# Altium PCB Main_PCB.PcbDoc (part 1 of 13)
Units mil, origin at the board's own origin, x right, y up, seen from the top; angles counter-clockwise.
Board outline 5200 x 6000 mil, 12 copper layers (Top (L1), Int1 (l2), Int2 (L3), Int3 (L4), Int4 (L5), Int5 (L6), Int6 (L7), Int7 (L8), Int8 (L9), Int9 (L10), Int10 (L11), Bot (L12)), stack 94.81 mil thick; 88 components, 424 nets, 1789 pads, 1684 vias.
Unrouted connection lines stored in the file: 914.
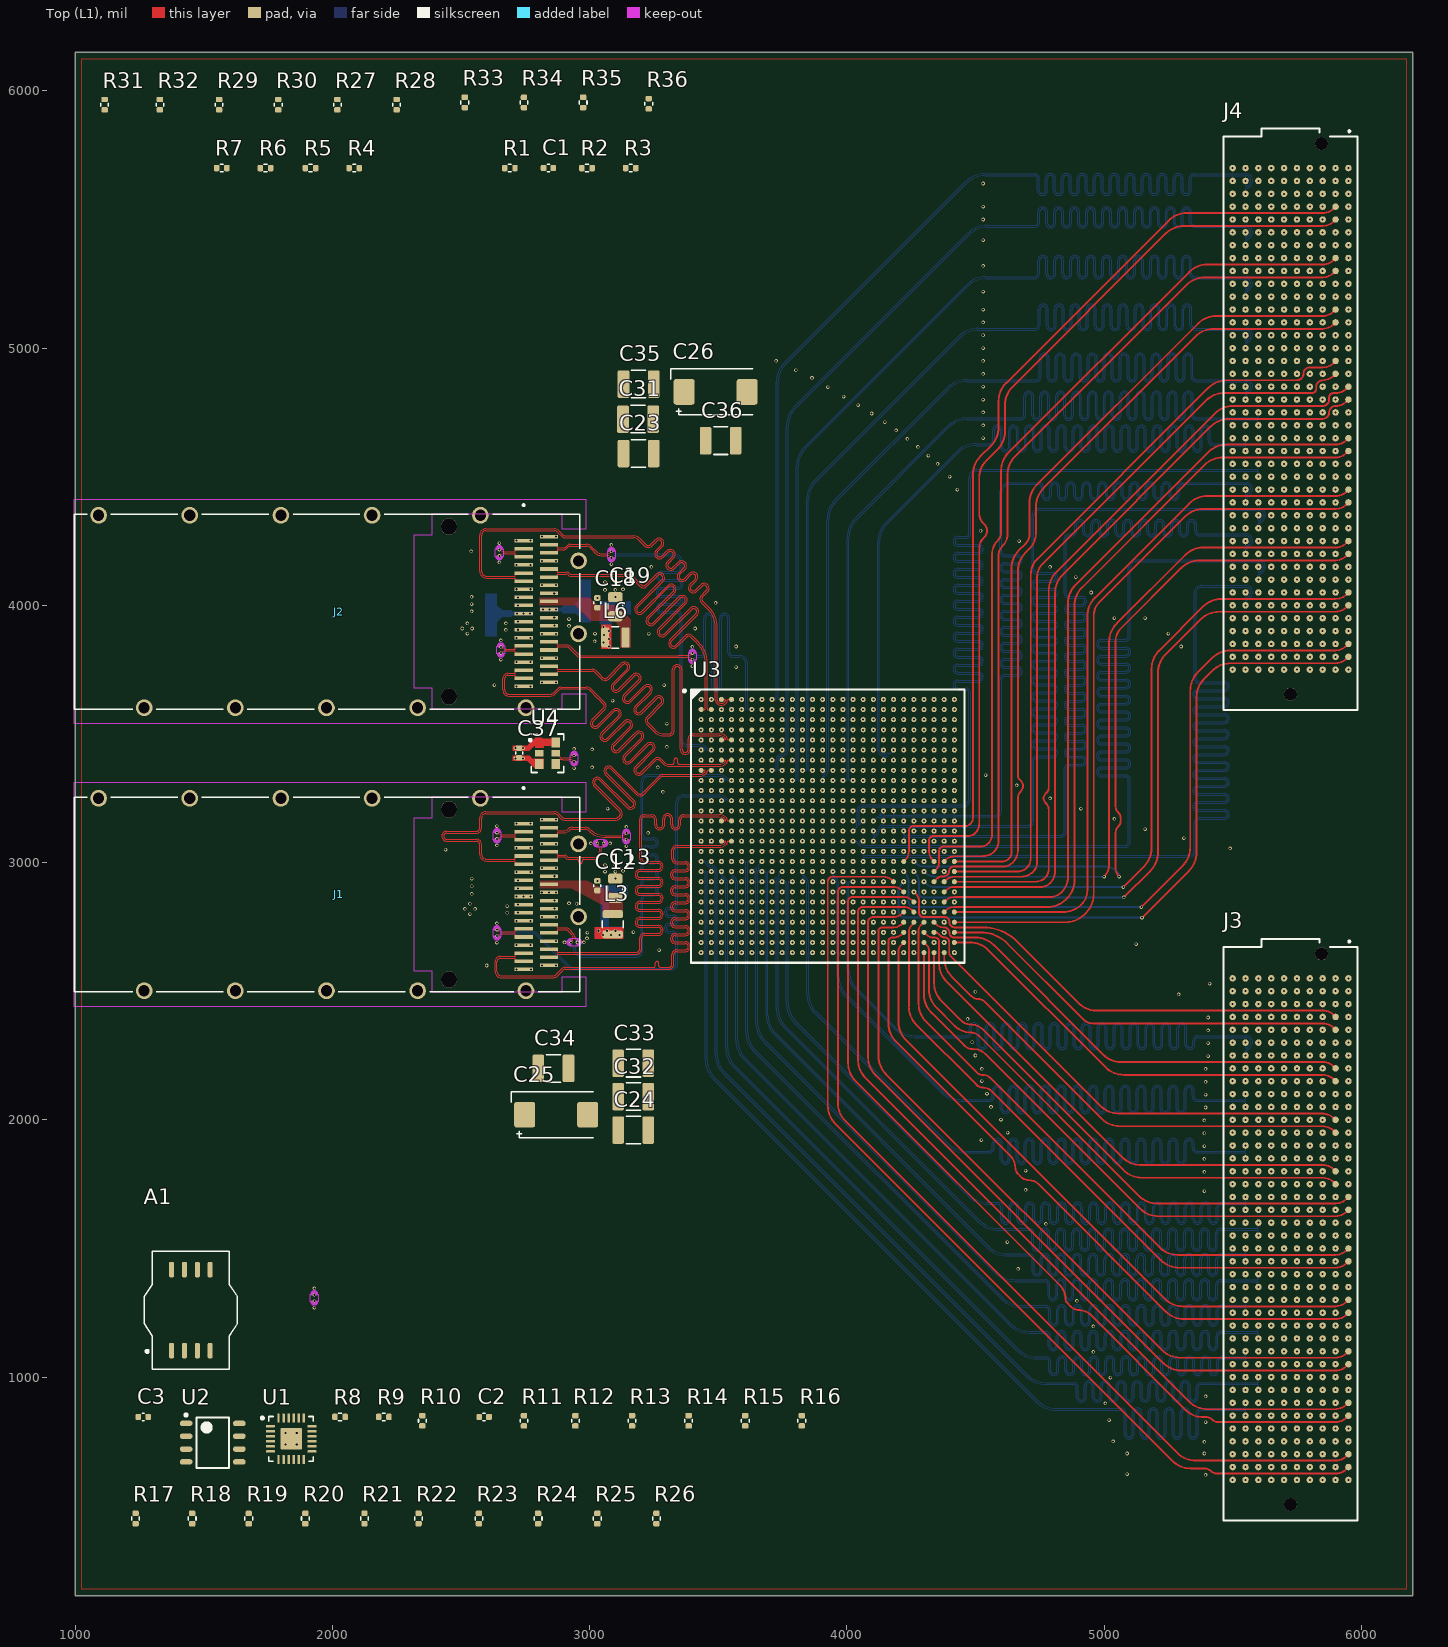
[diagram p0: Top (L1) view]
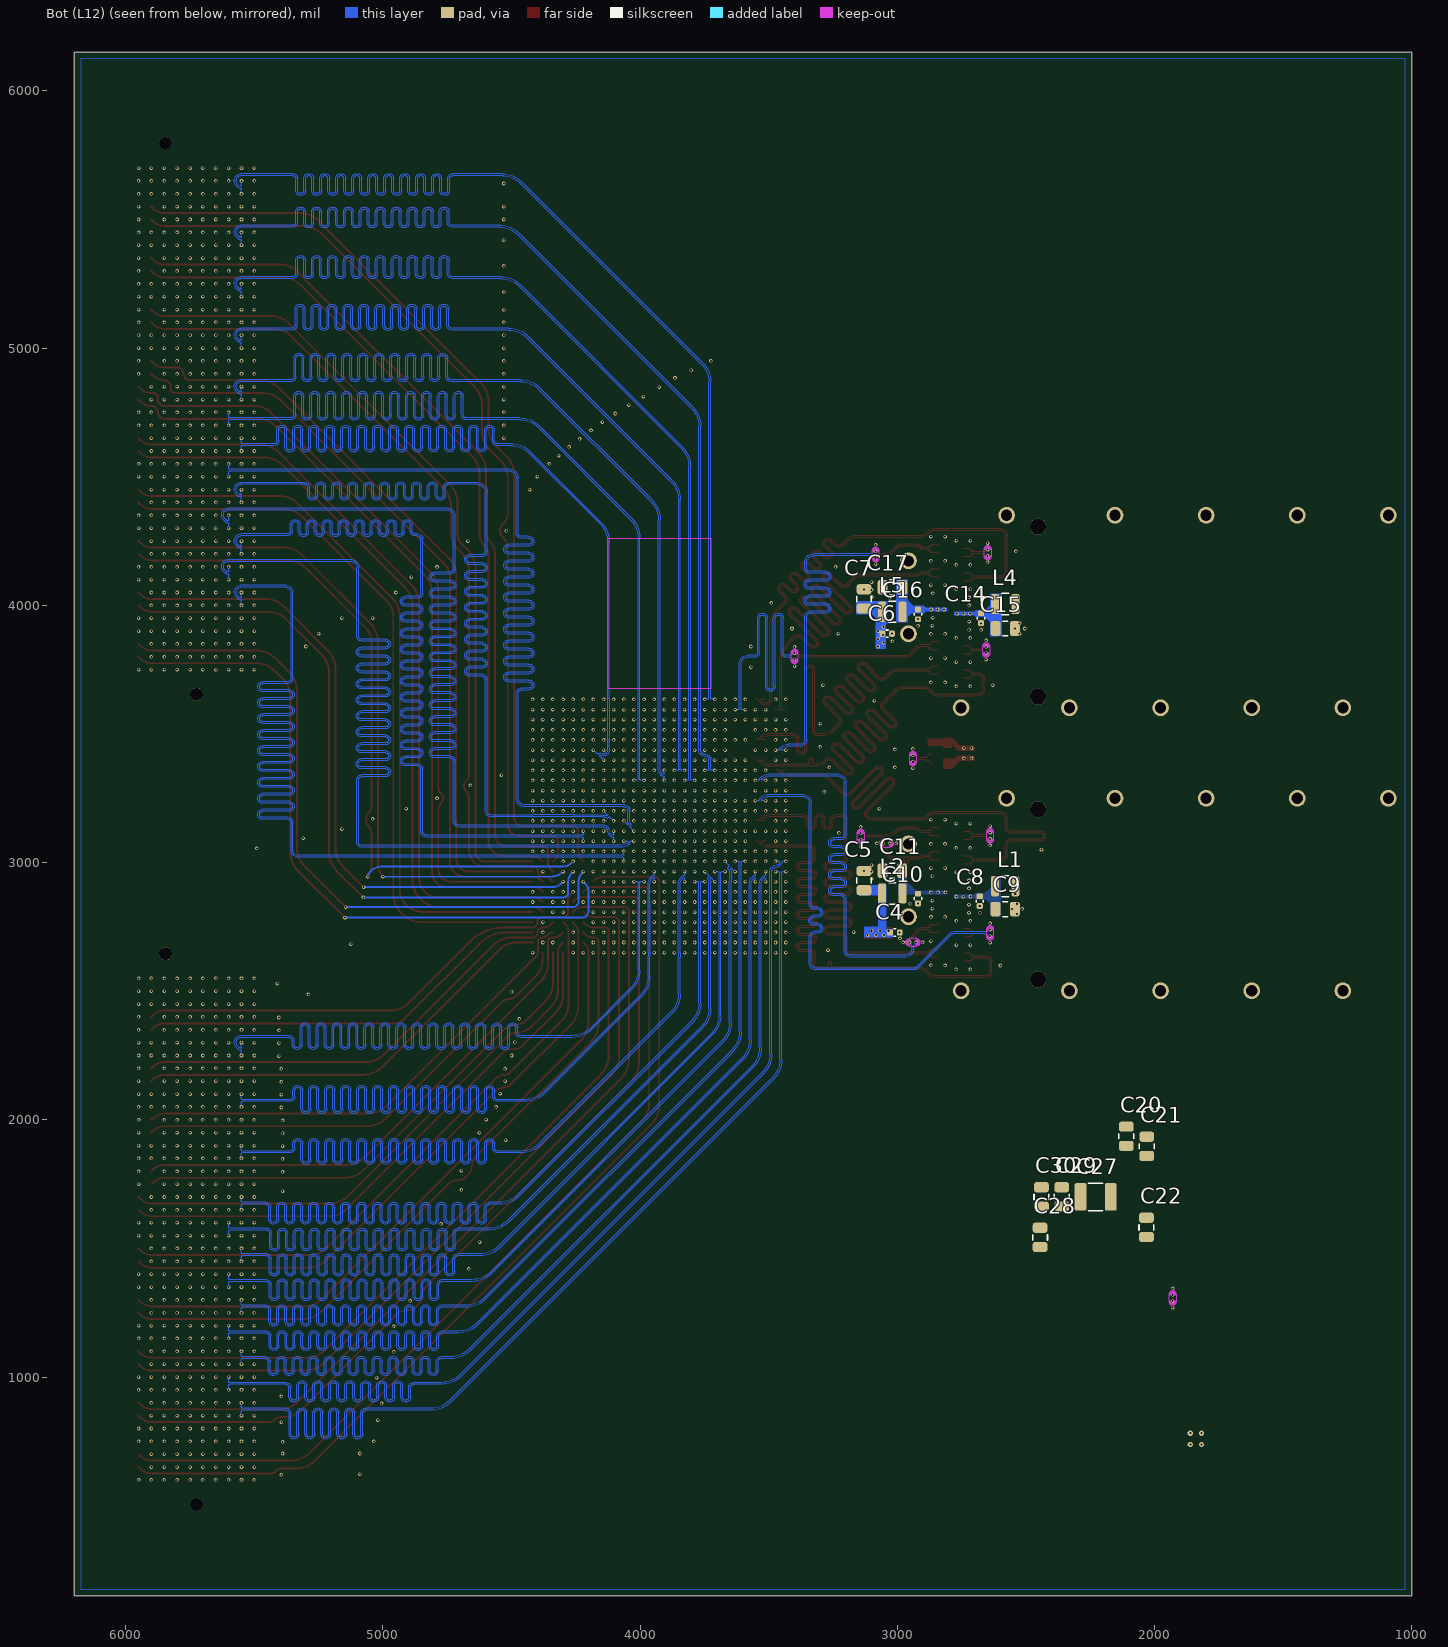
[diagram p1: Bot (L12) view, seen from below]
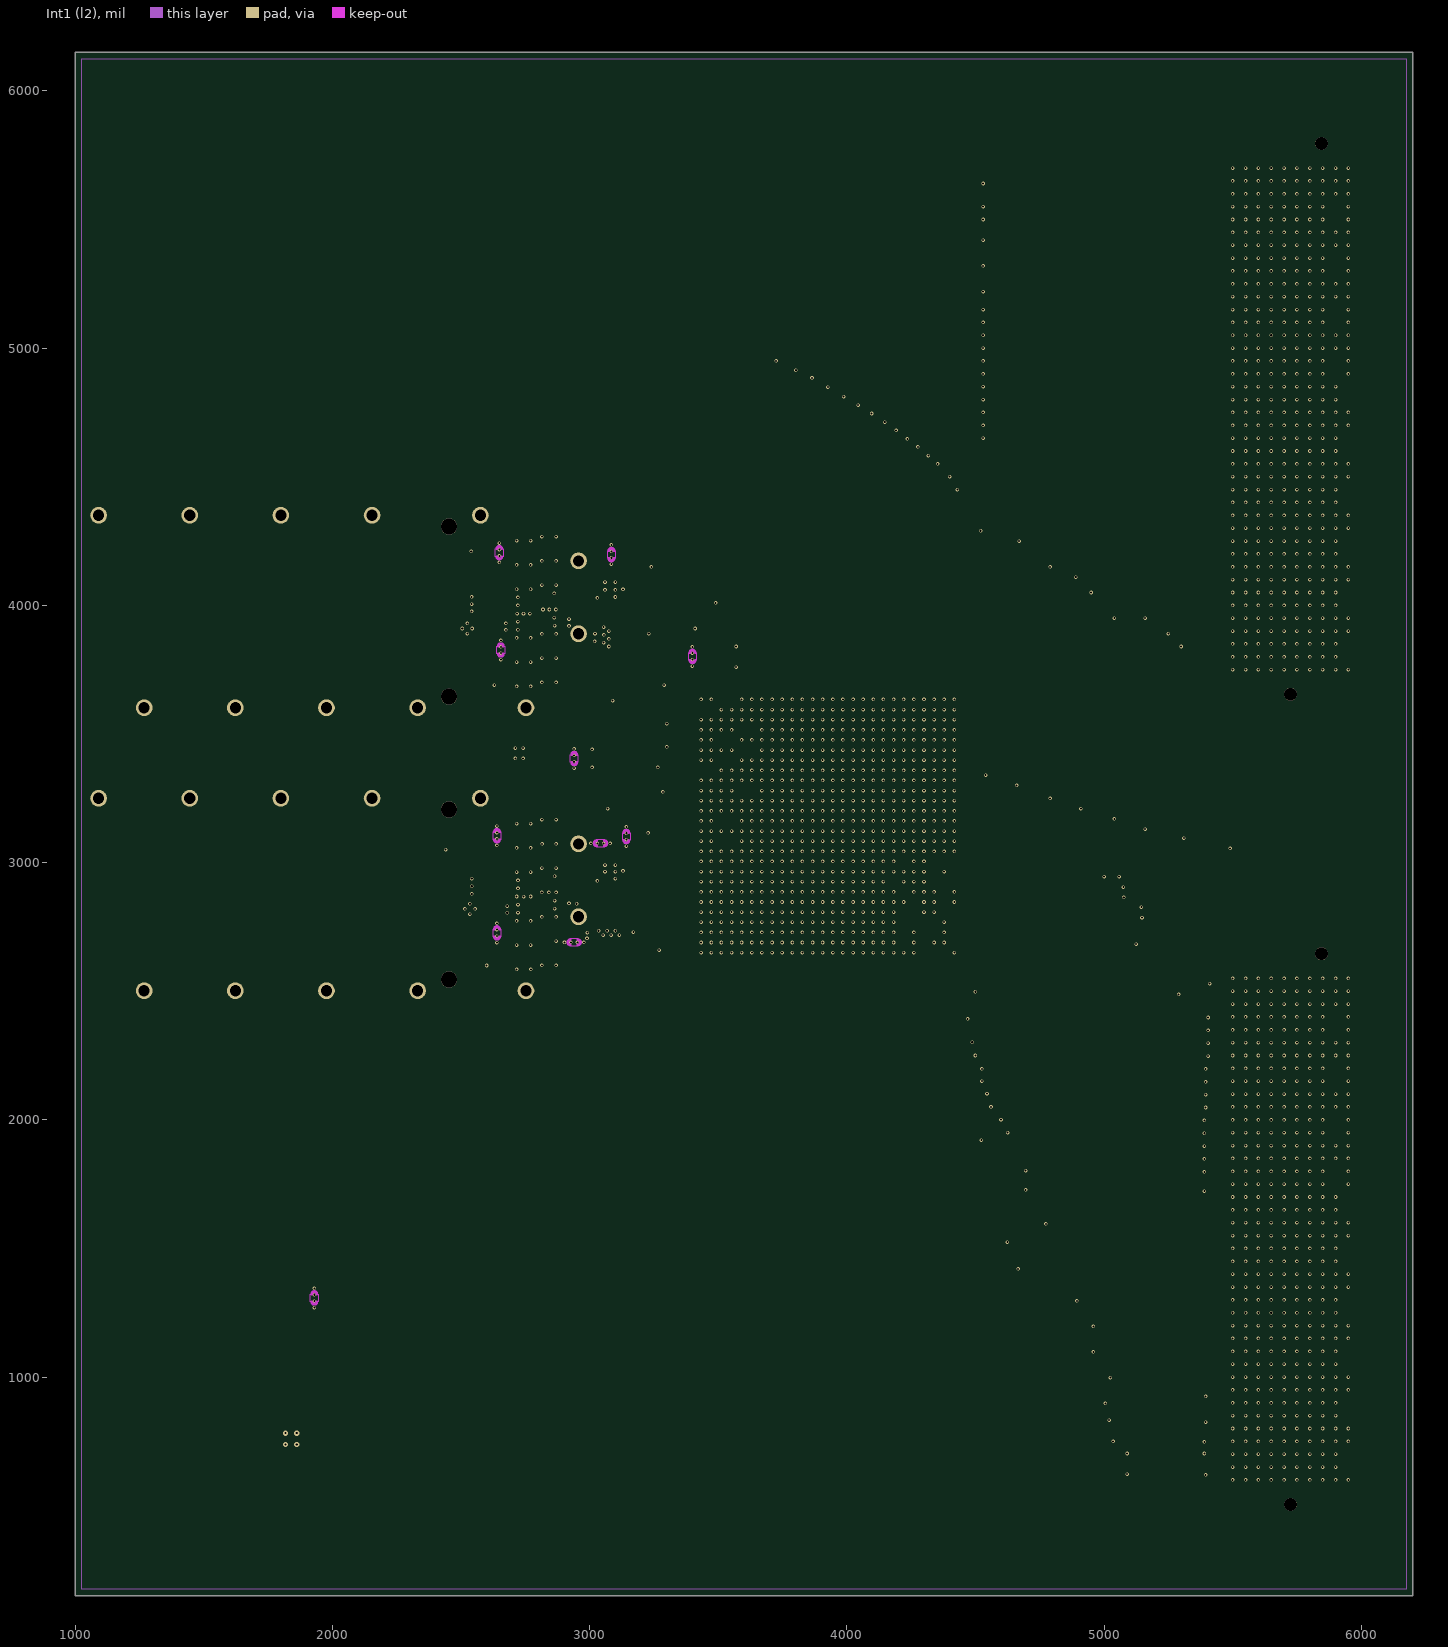
[diagram p2: Int1 (l2)]
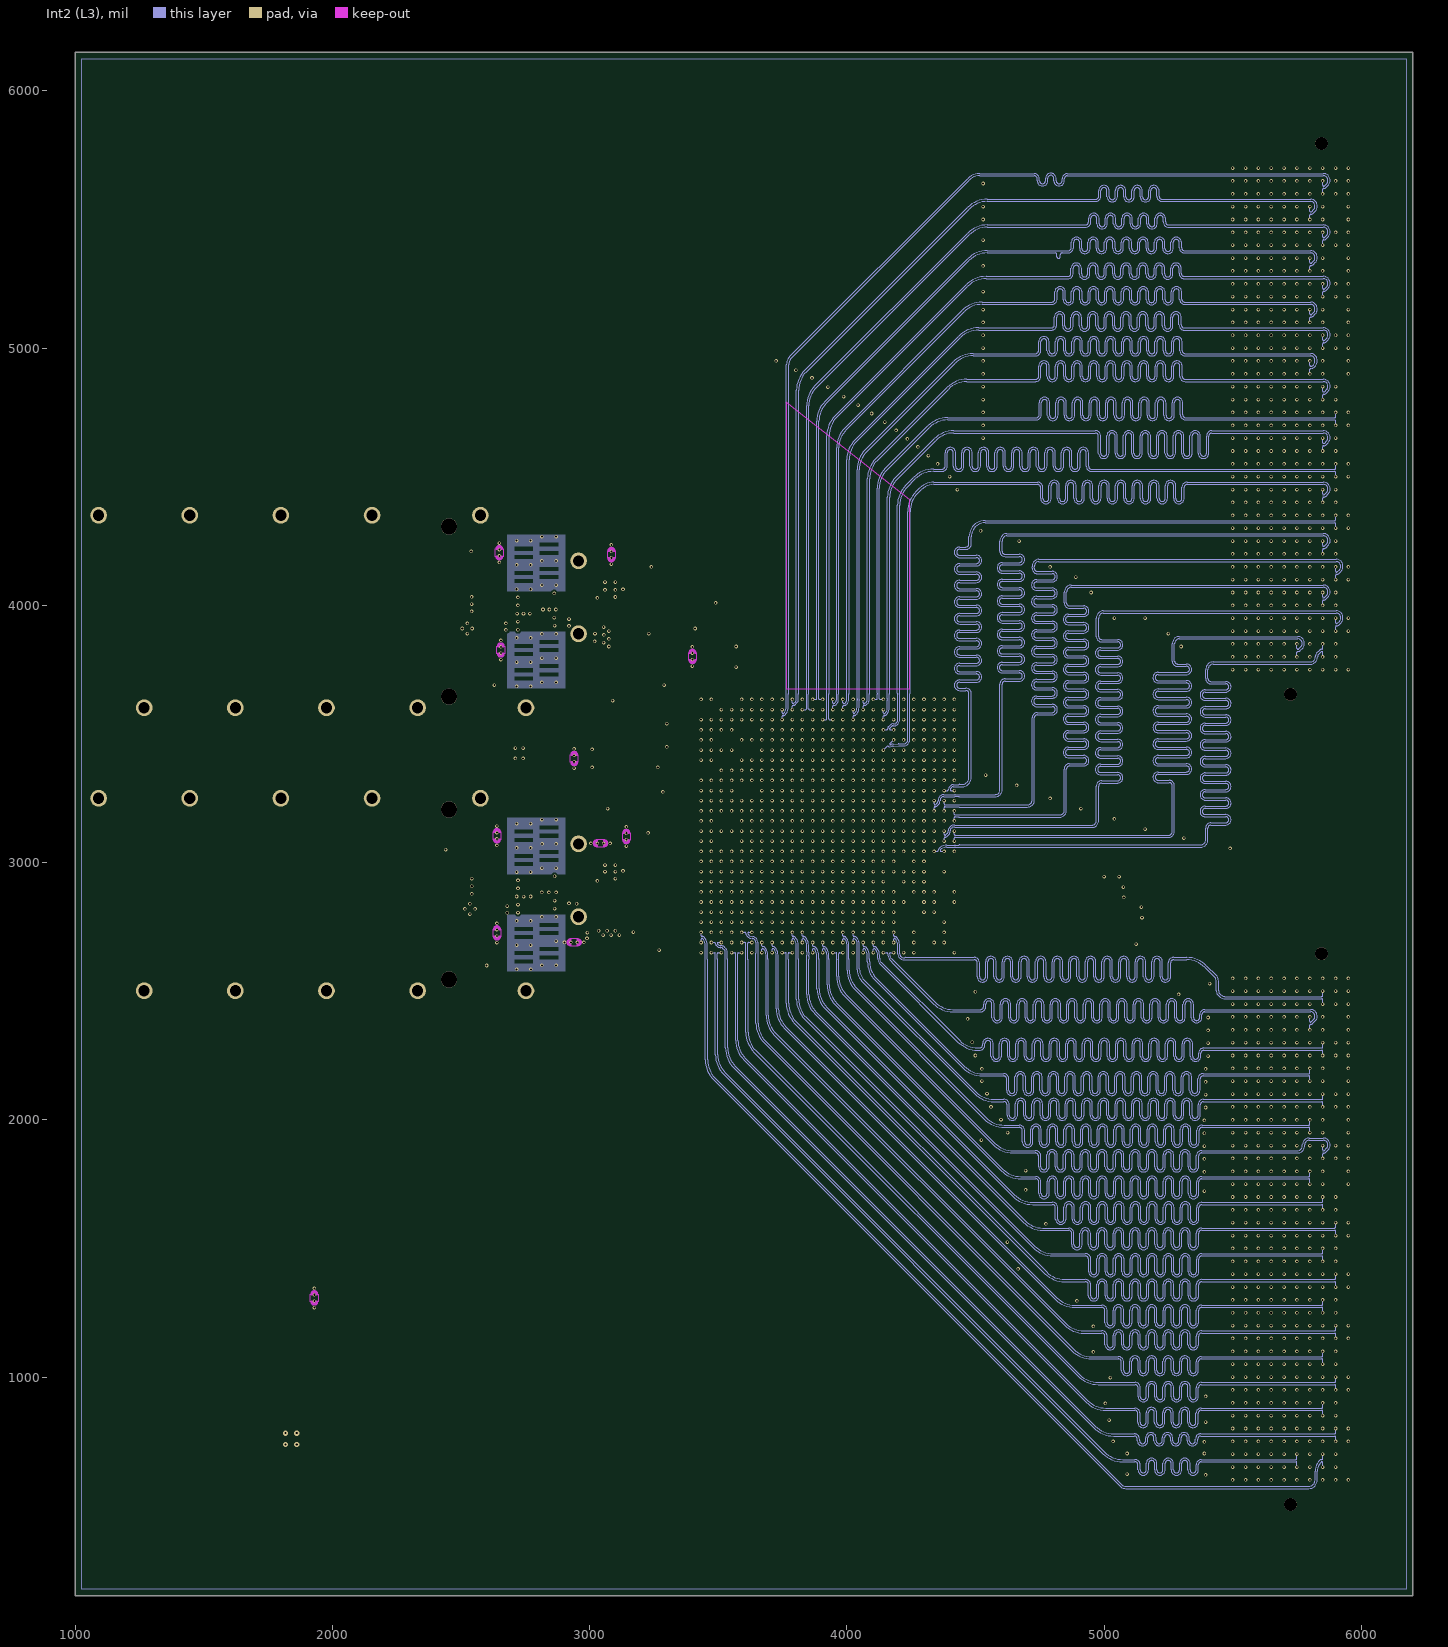
[diagram p3: Int2 (L3)]
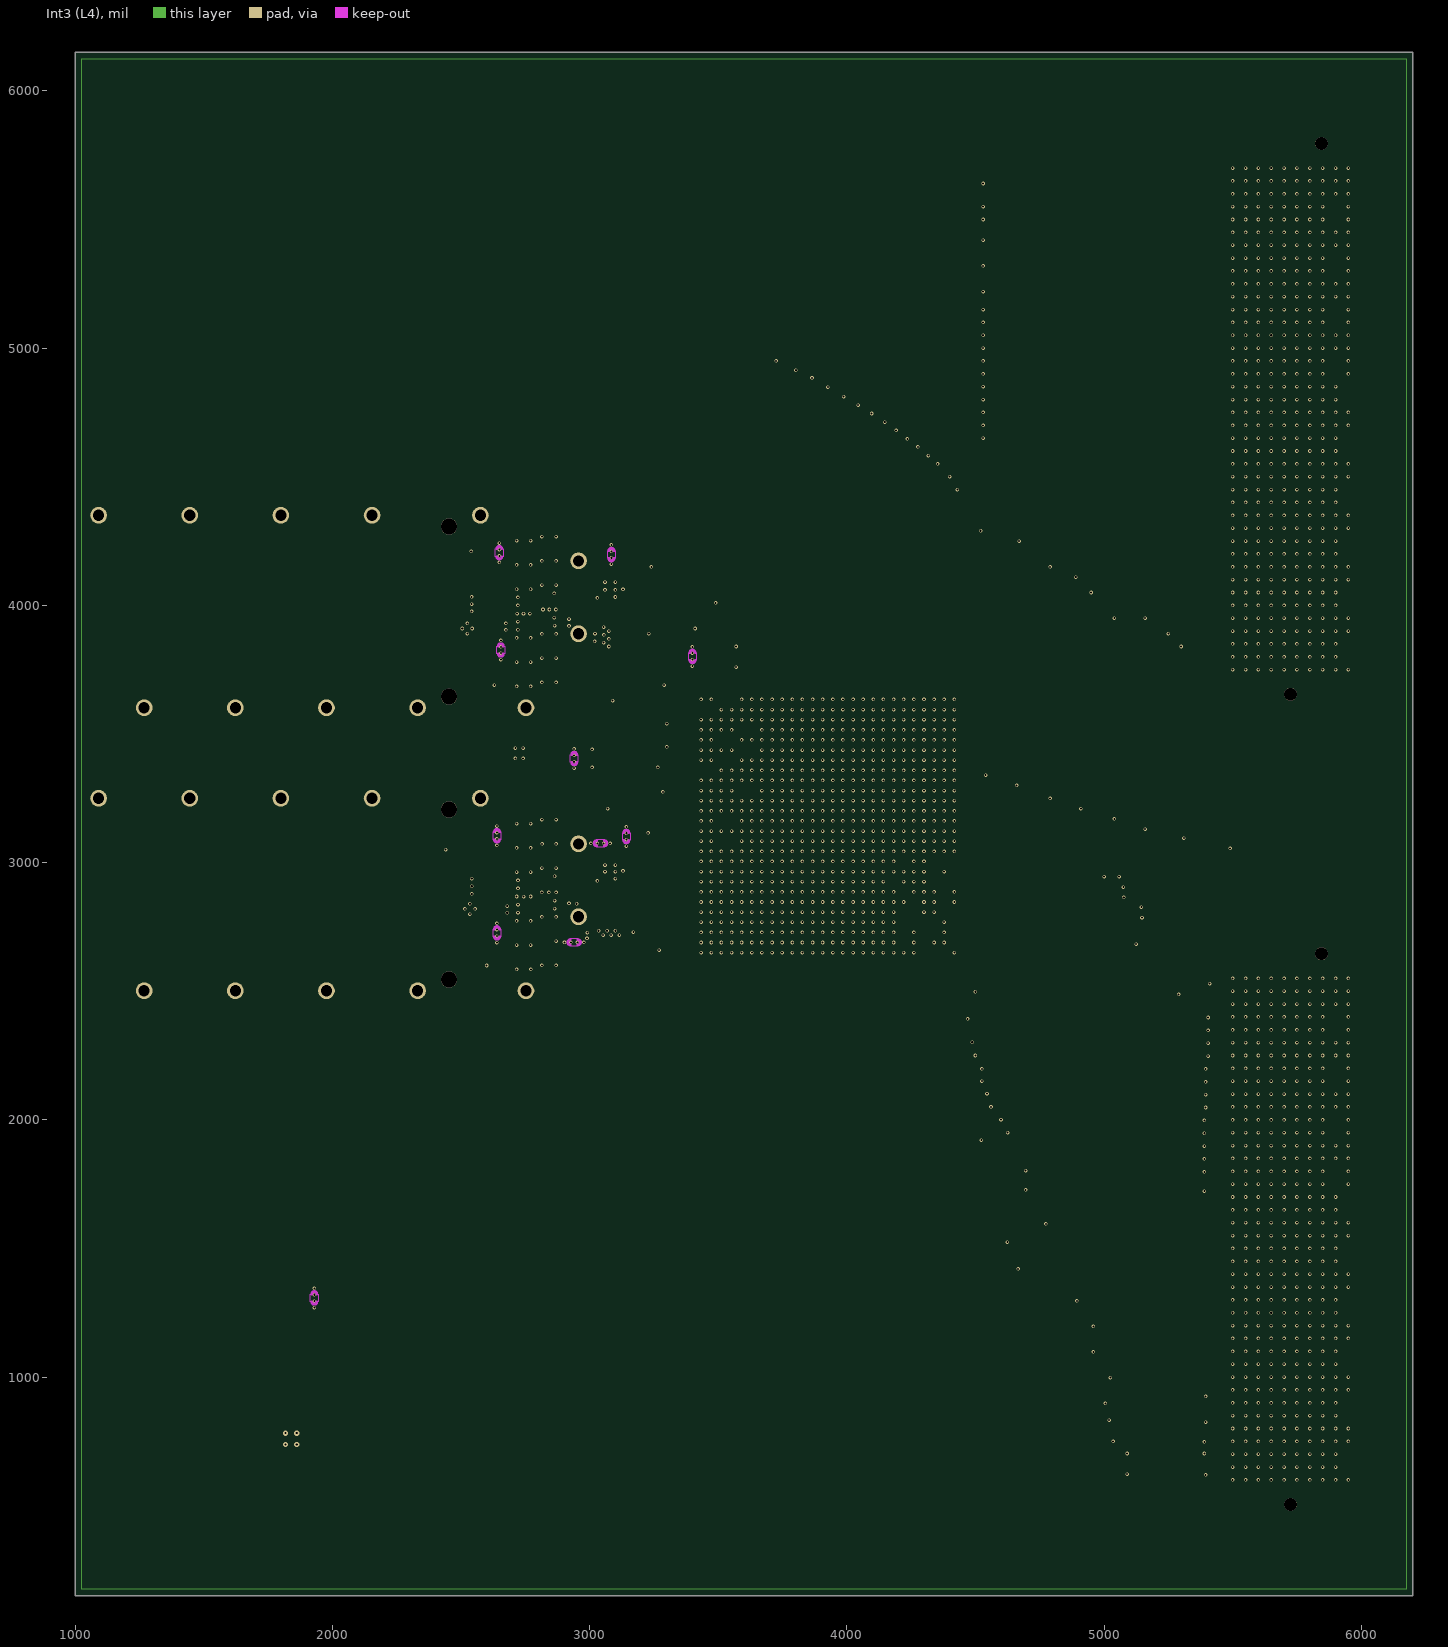
[diagram p4: Int3 (L4)]
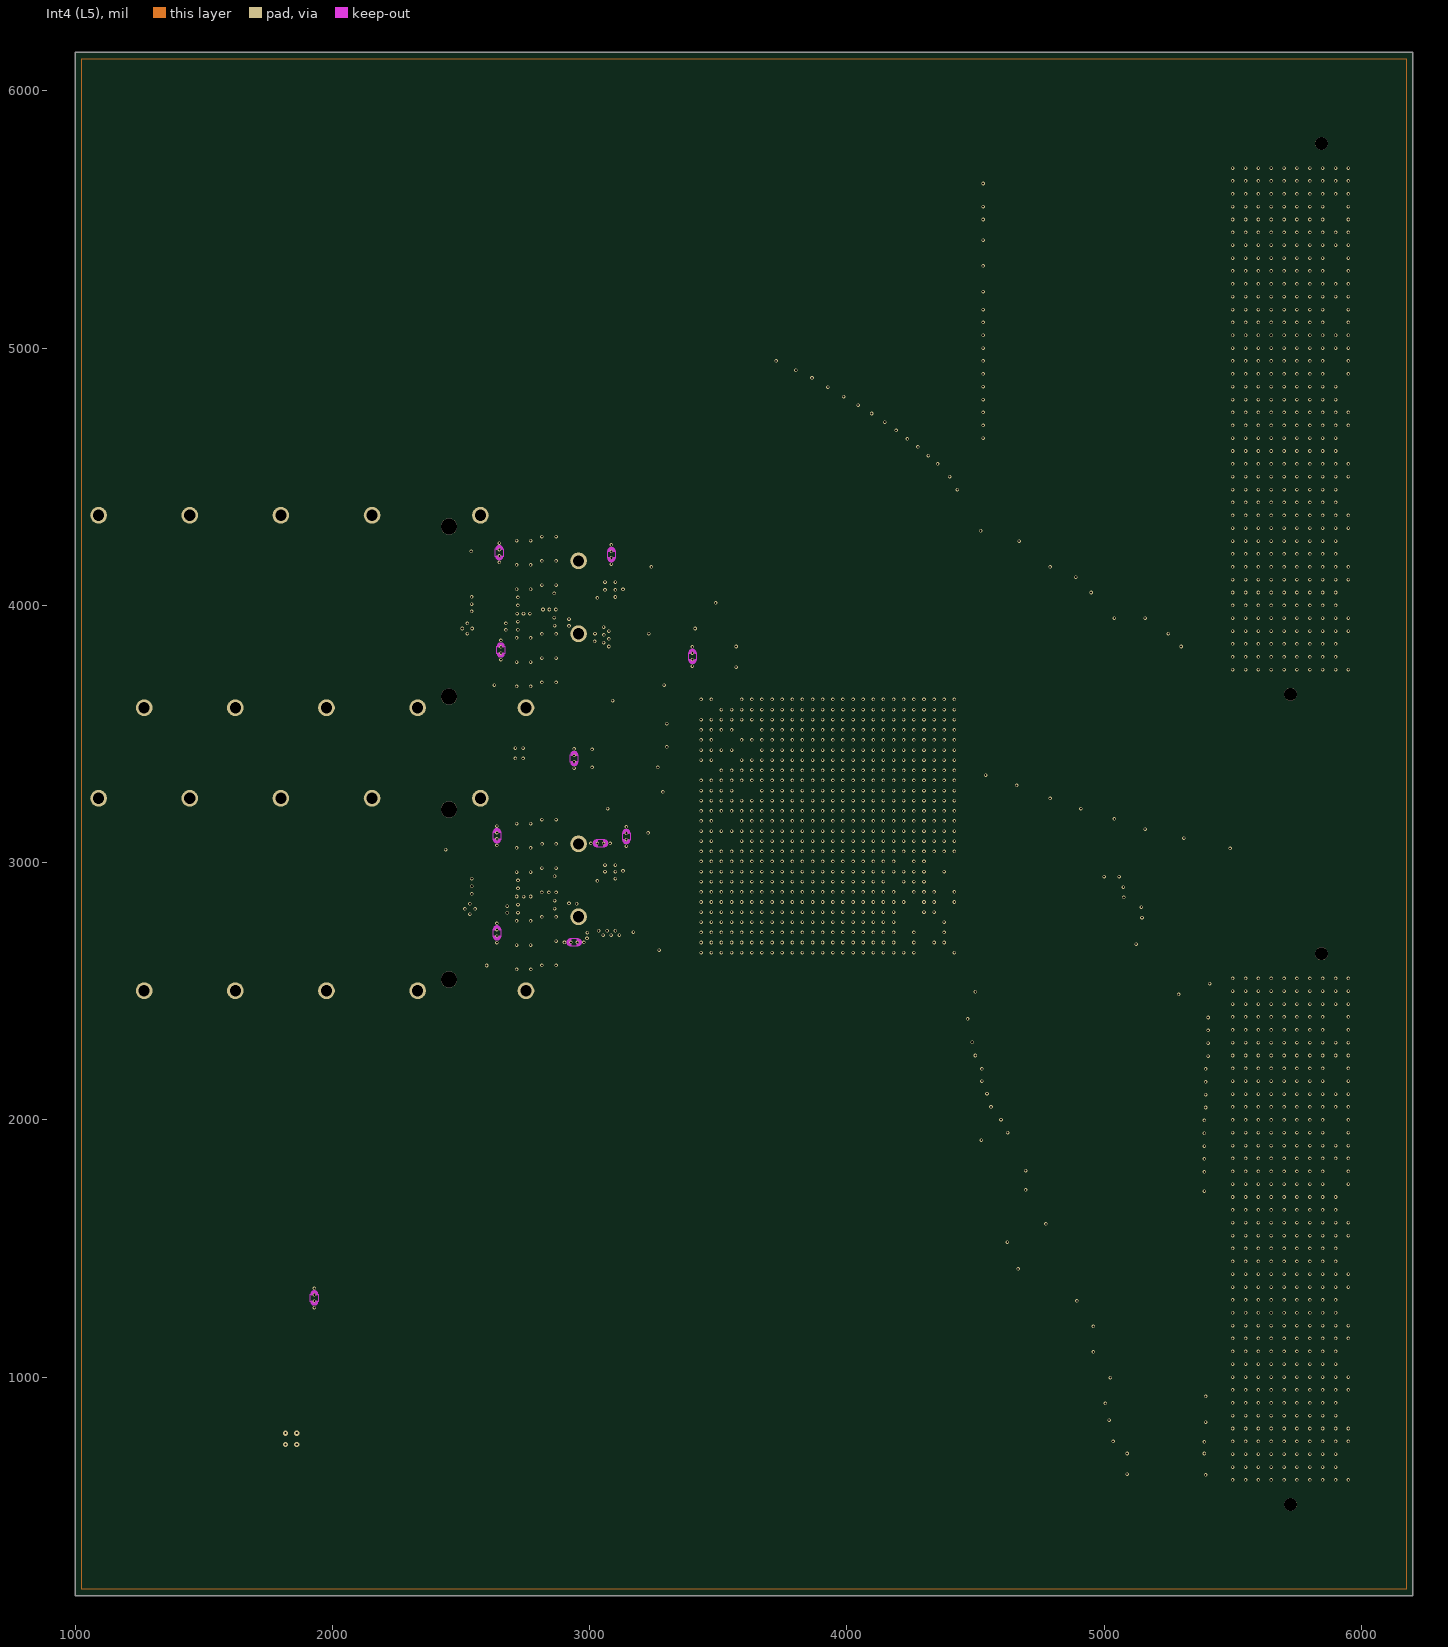
[diagram p5: Int4 (L5)]
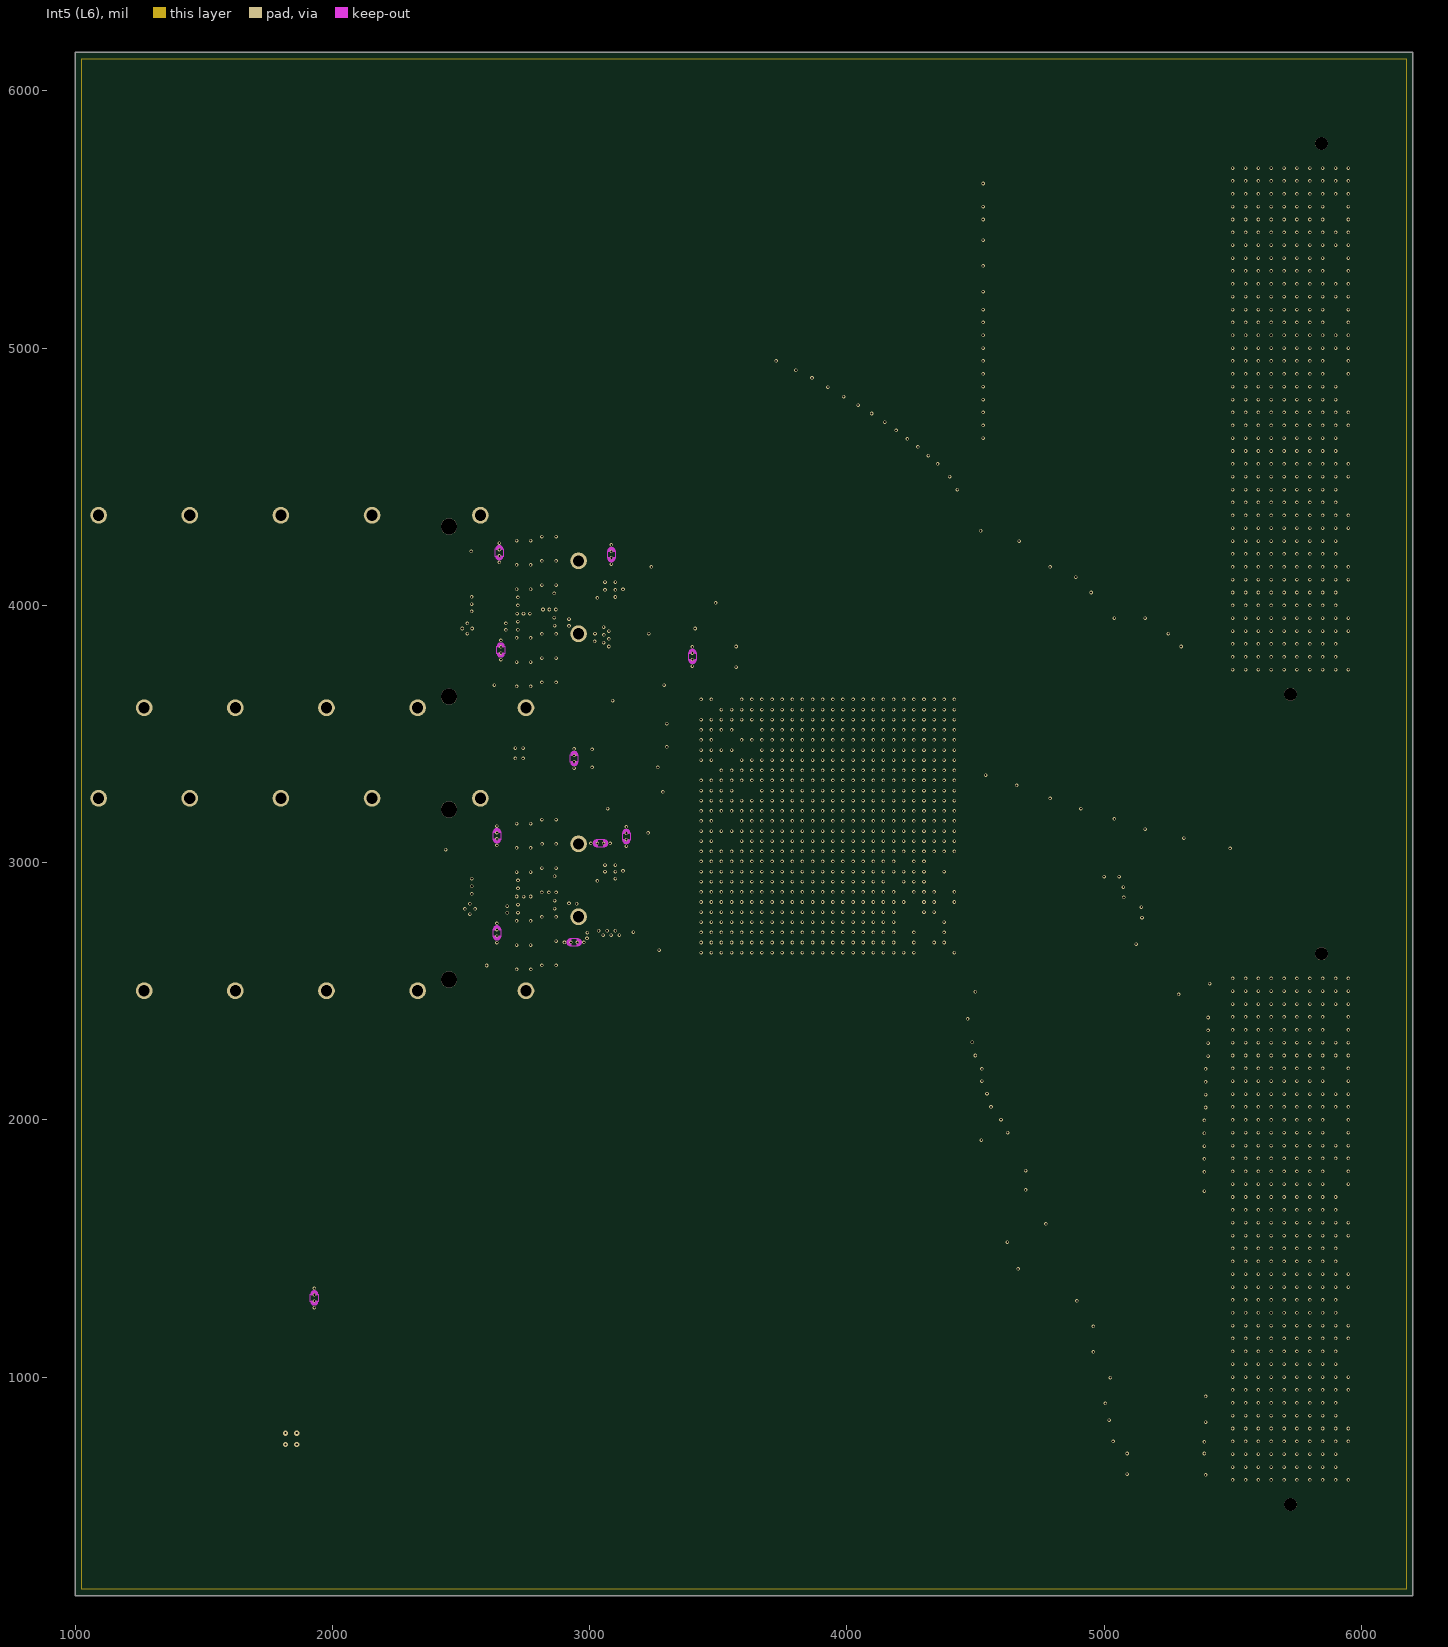
[diagram p6: Int5 (L6)]